# KiCad board Leopold Replacement.kicad_pcb (continued)
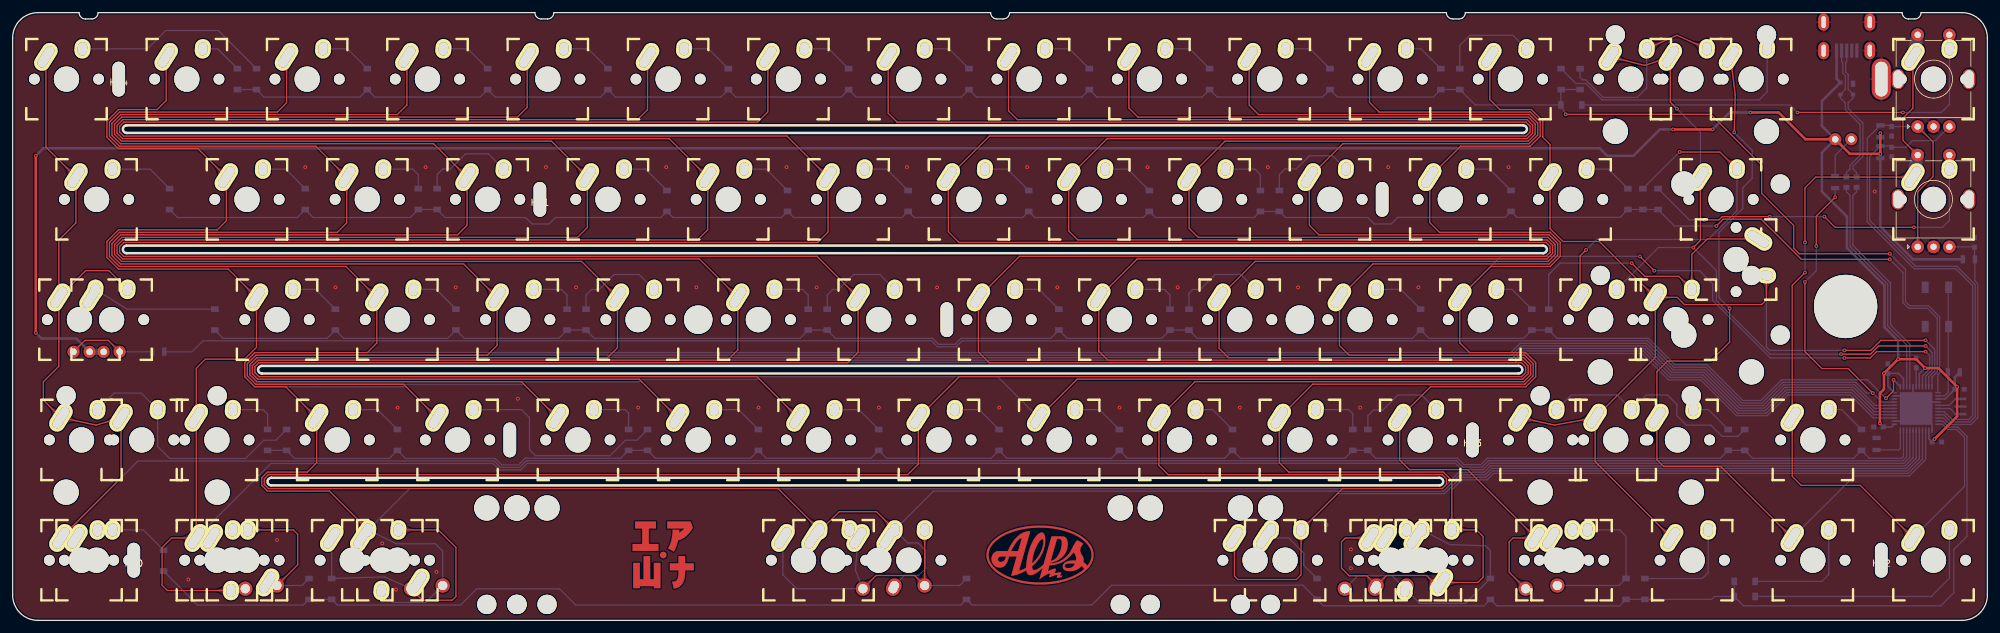
[diagram p0: board, top side]
## Copper pours and planes (outline as drawn; the poured copper is in the pictures) (continued)
Col7 on Top: 138.42,86.29 138.42,86.36 138.42,86.44 138.43,86.51 138.43,86.58 138.44,86.65 138.45,86.72 138.46,86.79 138.48,86.86 138.49,86.93 138.51,87 138.52,87.06 138.54,87.13 138.57,87.19 138.59,87.26 138.61,87.32 138.64,87.38 138.67,87.45 138.7,87.51 138.73,87.57 138.76,87.63 138.8,87.68 138.84,87.74 138.88,87.8 138.92,87.85 138.96,87.91 139,87.96 139.05,88.02 139.1,88.07 139.14,88.12 139.19,88.17 138.32,89.69 137.44,88.17 137.5,88.12 137.54,88.07 137.59,88.02 137.64,87.96 137.68,87.91 137.72,87.85 137.76,87.8 137.8,87.74 137.84,87.68 137.88,87.63 137.91,87.57 137.94,87.51 137.97,87.45 138,87.38 138.03,87.32 138.05,87.26 138.07,87.19 138.1,87.13 138.12,87.06 138.13,87 138.15,86.93 138.16,86.86 138.18,86.79 138.19,86.72 138.2,86.65 138.21,86.58 138.21,86.51 138.22,86.44 138.22,86.36 138.22,86.29
Col7 on Top: 137.31,16.19 137.36,16.13 137.41,16.08 137.46,16.03 137.51,15.97 137.55,15.91 137.59,15.86 137.64,15.8 137.67,15.74 137.71,15.68 137.75,15.63 137.78,15.57 137.82,15.51 137.85,15.44 137.87,15.38 137.9,15.32 137.93,15.26 137.95,15.19 137.97,15.13 137.99,15.06 138.01,15 138.03,14.93 138.04,14.87 138.05,14.8 138.06,14.73 138.07,14.66 138.08,14.59 138.09,14.52 138.09,14.45 138.09,14.38 138.09,14.31 139.78,13.85 139.33,15.55 139.26,15.55 139.19,15.55 139.12,15.55 139.05,15.56 138.98,15.56 138.91,15.57 138.84,15.58 138.77,15.6 138.7,15.61 138.64,15.63 138.57,15.65 138.51,15.67 138.44,15.69 138.38,15.71 138.32,15.74 138.25,15.76 138.19,15.79 138.13,15.82 138.07,15.85 138.01,15.89 137.95,15.92 137.89,15.96 137.84,16 137.78,16.04 137.72,16.09 137.67,16.13 137.61,16.18 137.56,16.23 137.5,16.28 137.45,16.33
Col7 on Top: 128.33,15.06 128.28,15.01 128.22,14.96 128.17,14.91 128.11,14.86 128.06,14.82 128,14.77 127.94,14.73 127.89,14.69 127.83,14.65 127.77,14.62 127.71,14.58 127.65,14.55 127.59,14.52 127.53,14.49 127.46,14.47 127.4,14.44 127.34,14.42 127.27,14.4 127.21,14.38 127.14,14.36 127.08,14.34 127.01,14.33 126.94,14.31 126.87,14.3 126.8,14.29 126.74,14.29 126.67,14.28 126.59,14.28 126.52,14.28 126.45,14.28 126,12.58 127.69,13.04 127.69,13.11 127.69,13.18 127.69,13.25 127.7,13.32 127.71,13.39 127.72,13.46 127.73,13.53 127.74,13.6 127.75,13.66 127.77,13.73 127.79,13.79 127.81,13.86 127.83,13.92 127.85,13.99 127.88,14.05 127.91,14.11 127.93,14.17 127.97,14.24 128,14.3 128.03,14.36 128.07,14.41 128.11,14.47 128.15,14.53 128.19,14.59 128.23,14.64 128.27,14.7 128.32,14.76 128.37,14.81 128.42,14.86 128.47,14.92
Col7 on Bottom: 141.23,16.33 141.18,16.28 141.13,16.23 141.07,16.18 141.02,16.13 140.96,16.09 140.91,16.04 140.85,16 140.79,15.96 140.73,15.92 140.67,15.89 140.61,15.85 140.55,15.82 140.49,15.79 140.43,15.76 140.37,15.74 140.3,15.71 140.24,15.69 140.18,15.67 140.11,15.65 140.05,15.63 139.98,15.61 139.91,15.6 139.85,15.58 139.78,15.57 139.71,15.56 139.64,15.56 139.57,15.55 139.5,15.55 139.43,15.55 139.35,15.55 138.9,13.85 140.59,14.31 140.59,14.38 140.59,14.45 140.6,14.52 140.6,14.59 140.61,14.66 140.62,14.73 140.63,14.8 140.64,14.87 140.66,14.93 140.67,15 140.69,15.06 140.71,15.13 140.73,15.19 140.76,15.26 140.78,15.32 140.81,15.38 140.84,15.44 140.87,15.51 140.9,15.57 140.94,15.63 140.97,15.68 141.01,15.74 141.05,15.8 141.09,15.86 141.13,15.91 141.18,15.97 141.23,16.03 141.27,16.08 141.32,16.13 141.38,16.19
Col7 on Bottom: 140.83,7.16 140.78,7.09 140.73,7.02 140.67,6.96 140.62,6.9 140.57,6.84 140.51,6.78 140.46,6.73 140.4,6.68 140.35,6.63 140.29,6.58 140.23,6.54 140.18,6.5 140.12,6.46 140.06,6.42 140,6.38 139.95,6.35 139.89,6.32 139.83,6.29 139.77,6.26 139.71,6.24 139.65,6.22 139.59,6.2 139.53,6.18 139.46,6.17 139.4,6.16 139.34,6.15 139.28,6.14 139.21,6.13 139.15,6.13 139.09,6.13 138.68,4.61 140.2,5.02 140.2,5.08 140.2,5.15 140.21,5.21 140.21,5.27 140.22,5.34 140.23,5.4 140.24,5.47 140.25,5.54 140.27,5.6 140.28,5.67 140.3,5.73 140.32,5.8 140.34,5.86 140.36,5.93 140.39,6 140.42,6.06 140.44,6.13 140.47,6.2 140.51,6.27 140.54,6.33 140.58,6.4 140.61,6.47 140.65,6.54 140.69,6.6 140.74,6.67 140.78,6.74 140.83,6.81 140.87,6.88 140.92,6.95 140.97,7.02
Col7 on Bottom: 140.83,7.16 139.33,6.63 138.92,5.11 140.45,5.52 140.97,7.02
Col7 on Bottom: 141.38,12.4 141.32,12.46 141.27,12.51 141.23,12.56 141.18,12.62 141.13,12.68 141.09,12.73 141.05,12.79 141.01,12.85 140.97,12.91 140.94,12.96 140.9,13.02 140.87,13.09 140.84,13.15 140.81,13.21 140.78,13.27 140.76,13.33 140.73,13.4 140.71,13.46 140.69,13.53 140.67,13.59 140.66,13.66 140.64,13.72 140.63,13.79 140.62,13.86 140.61,13.93 140.6,14 140.6,14.07 140.59,14.14 140.59,14.21 140.59,14.28 138.9,14.74 139.35,13.05 139.43,13.05 139.5,13.04 139.57,13.04 139.64,13.03 139.71,13.03 139.78,13.02 139.85,13.01 139.91,12.99 139.98,12.98 140.05,12.96 140.11,12.95 140.18,12.93 140.24,12.9 140.3,12.88 140.37,12.85 140.43,12.83 140.49,12.8 140.55,12.77 140.61,12.74 140.67,12.7 140.73,12.67 140.79,12.63 140.85,12.59 140.91,12.55 140.96,12.5 141.02,12.46 141.07,12.41 141.13,12.36 141.18,12.31 141.23,12.26
Col8 on Top: 163.97,34.07 163.92,34.02 163.87,33.97 163.81,33.92 163.76,33.87 163.7,33.83 163.65,33.78 163.59,33.74 163.53,33.7 163.47,33.66 163.41,33.63 163.35,33.59 163.29,33.56 163.23,33.53 163.17,33.5 163.11,33.48 163.04,33.45 162.98,33.43 162.92,33.41 162.85,33.39 162.79,33.37 162.72,33.35 162.65,33.34 162.59,33.32 162.52,33.31 162.45,33.3 162.38,33.3 162.31,33.29 162.24,33.29 162.17,33.29 162.09,33.29 161.64,31.59 163.33,32.05 163.33,32.12 163.33,32.19 163.34,32.26 163.34,32.33 163.35,32.4 163.36,32.47 163.37,32.54 163.38,32.61 163.4,32.67 163.41,32.74 163.43,32.8 163.45,32.87 163.47,32.93 163.5,33 163.52,33.06 163.55,33.12 163.58,33.18 163.61,33.25 163.64,33.31 163.68,33.37 163.71,33.42 163.75,33.48 163.79,33.54 163.83,33.6 163.87,33.65 163.92,33.71 163.97,33.77 164.01,33.82 164.06,33.87 164.12,33.93
Col8 on Top: 171.69,48.27 171.69,48.34 171.69,48.42 171.7,48.49 171.7,48.56 171.71,48.63 171.72,48.7 171.73,48.77 171.74,48.84 171.76,48.91 171.77,48.98 171.79,49.04 171.81,49.11 171.83,49.17 171.86,49.24 171.88,49.3 171.91,49.36 171.94,49.43 171.97,49.49 172,49.55 172.03,49.61 172.07,49.66 172.1,49.72 172.14,49.78 172.18,49.83 172.23,49.89 172.27,49.94 172.32,50 172.36,50.05 172.41,50.1 172.46,50.15 171.59,51.67 170.71,50.15 170.76,50.1 170.81,50.05 170.86,50 170.91,49.94 170.95,49.89 170.99,49.83 171.03,49.78 171.07,49.72 171.11,49.66 171.14,49.61 171.18,49.55 171.21,49.49 171.24,49.43 171.27,49.36 171.29,49.3 171.32,49.24 171.34,49.17 171.36,49.11 171.38,49.04 171.4,48.98 171.42,48.91 171.43,48.84 171.45,48.77 171.46,48.7 171.47,48.63 171.47,48.56 171.48,48.49 171.48,48.42 171.49,48.34 171.49,48.27
Col8 on Top: 173.48,53.08 173.43,53.03 173.37,52.98 173.32,52.93 173.26,52.88 173.21,52.84 173.15,52.79 173.09,52.75 173.04,52.71 172.98,52.67 172.92,52.64 172.86,52.6 172.8,52.57 172.74,52.54 172.67,52.51 172.61,52.49 172.55,52.46 172.49,52.44 172.42,52.42 172.36,52.4 172.29,52.38 172.22,52.36 172.16,52.35 172.09,52.33 172.02,52.32 171.95,52.31 171.88,52.31 171.81,52.3 171.74,52.3 171.67,52.3 171.6,52.3 171.15,50.6 172.84,51.06 172.84,51.13 172.84,51.2 172.84,51.27 172.85,51.34 172.86,51.41 172.87,51.48 172.88,51.55 172.89,51.62 172.9,51.68 172.92,51.75 172.94,51.81 172.96,51.88 172.98,51.94 173,52.01 173.03,52.07 173.06,52.13 173.08,52.19 173.11,52.26 173.15,52.32 173.18,52.38 173.22,52.43 173.25,52.49 173.29,52.55 173.34,52.61 173.38,52.66 173.42,52.72 173.47,52.78 173.52,52.83 173.57,52.88 173.62,52.94
Col8 on Top: 166.94,67.28 166.94,67.35 166.94,67.43 166.94,67.5 166.95,67.57 166.96,67.64 166.97,67.71 166.98,67.78 166.99,67.85 167,67.92 167.02,67.99 167.04,68.05 167.06,68.12 167.08,68.18 167.1,68.25 167.13,68.31 167.16,68.37 167.18,68.44 167.21,68.5 167.25,68.56 167.28,68.62 167.31,68.67 167.35,68.73 167.39,68.79 167.43,68.84 167.47,68.9 167.52,68.95 167.56,69.01 167.61,69.06 167.66,69.11 167.71,69.16 166.84,70.68 165.96,69.16 166.01,69.11 166.06,69.06 166.11,69.01 166.15,68.95 166.2,68.9 166.24,68.84 166.28,68.79 166.32,68.73 166.36,68.67 166.39,68.62 166.42,68.56 166.46,68.5 166.49,68.44 166.51,68.37 166.54,68.31 166.57,68.25 166.59,68.18 166.61,68.12 166.63,68.05 166.65,67.99 166.67,67.92 166.68,67.85 166.69,67.78 166.7,67.71 166.71,67.64 166.72,67.57 166.73,67.5 166.73,67.43 166.73,67.35 166.74,67.28
Col8 on Top: 168.73,72.09 168.67,72.04 168.62,71.99 168.57,71.94 168.51,71.89 168.45,71.85 168.4,71.8 168.34,71.76 168.28,71.72 168.22,71.68 168.17,71.65 168.11,71.61 168.05,71.58 167.98,71.55 167.92,71.52 167.86,71.5 167.8,71.47 167.73,71.45 167.67,71.43 167.6,71.41 167.54,71.39 167.47,71.37 167.41,71.36 167.34,71.34 167.27,71.33 167.2,71.32 167.13,71.32 167.06,71.31 166.99,71.31 166.92,71.31 166.85,71.31 166.39,69.61 168.08,70.07 168.09,70.14 168.09,70.21 168.09,70.28 168.1,70.35 168.1,70.42 168.11,70.49 168.12,70.56 168.14,70.63 168.15,70.69 168.17,70.76 168.19,70.82 168.21,70.89 168.23,70.95 168.25,71.02 168.28,71.08 168.3,71.14 168.33,71.2 168.36,71.27 168.39,71.33 168.43,71.39 168.46,71.44 168.5,71.5 168.54,71.56 168.58,71.62 168.63,71.67 168.67,71.73 168.72,71.79 168.77,71.84 168.82,71.89 168.87,71.95
Col8 on Top: 157.43,86.29 157.43,86.36 157.43,86.44 157.44,86.51 157.44,86.58 157.45,86.65 157.46,86.72 157.47,86.79 157.49,86.86 157.5,86.93 157.52,87 157.53,87.06 157.55,87.13 157.58,87.19 157.6,87.26 157.62,87.32 157.65,87.38 157.68,87.45 157.71,87.51 157.74,87.57 157.77,87.63 157.81,87.68 157.85,87.74 157.89,87.8 157.93,87.85 157.97,87.91 158.01,87.96 158.06,88.02 158.11,88.07 158.15,88.12 158.21,88.17 157.33,89.69 156.46,88.17 156.51,88.12 156.55,88.07 156.6,88.02 156.65,87.96 156.69,87.91 156.73,87.85 156.77,87.8 156.81,87.74 156.85,87.68 156.89,87.63 156.92,87.57 156.95,87.51 156.98,87.45 157.01,87.38 157.04,87.32 157.06,87.26 157.08,87.19 157.11,87.13 157.13,87.06 157.14,87 157.16,86.93 157.17,86.86 157.19,86.79 157.2,86.72 157.21,86.65 157.22,86.58 157.22,86.51 157.23,86.44 157.23,86.36 157.23,86.29
Col8 on Bottom: 160.05,33.93 160.1,33.87 160.15,33.82 160.2,33.77 160.25,33.71 160.29,33.65 160.33,33.6 160.38,33.54 160.42,33.48 160.45,33.42 160.49,33.37 160.52,33.31 160.56,33.25 160.59,33.18 160.61,33.12 160.64,33.06 160.67,33 160.69,32.93 160.71,32.87 160.73,32.8 160.75,32.74 160.77,32.67 160.78,32.61 160.79,32.54 160.8,32.47 160.81,32.4 160.82,32.33 160.83,32.26 160.83,32.19 160.83,32.12 160.83,32.05 162.52,31.59 162.07,33.29 162,33.29 161.93,33.29 161.86,33.29 161.79,33.3 161.72,33.3 161.65,33.31 161.58,33.32 161.51,33.34 161.45,33.35 161.38,33.37 161.31,33.39 161.25,33.41 161.18,33.43 161.12,33.45 161.06,33.48 161,33.5 160.93,33.53 160.87,33.56 160.81,33.59 160.75,33.63 160.69,33.66 160.63,33.7 160.58,33.74 160.52,33.78 160.46,33.83 160.41,33.87 160.35,33.92 160.3,33.97 160.24,34.02 160.19,34.07
Col9 on Top: 205.44,16.33 205.39,16.28 205.34,16.23 205.28,16.18 205.23,16.13 205.17,16.09 205.11,16.04 205.06,16 205,15.96 204.94,15.92 204.88,15.89 204.82,15.85 204.76,15.82 204.7,15.79 204.64,15.76 204.58,15.74 204.51,15.71 204.45,15.69 204.39,15.67 204.32,15.65 204.26,15.63 204.19,15.61 204.12,15.6 204.05,15.58 203.99,15.57 203.92,15.56 203.85,15.56 203.78,15.55 203.71,15.55 203.64,15.55 203.56,15.55 203.11,13.85 204.8,14.31 204.8,14.38 204.8,14.45 204.81,14.52 204.81,14.59 204.82,14.66 204.83,14.73 204.84,14.8 204.85,14.87 204.87,14.93 204.88,15 204.9,15.06 204.92,15.13 204.94,15.19 204.97,15.26 204.99,15.32 205.02,15.38 205.05,15.44 205.08,15.51 205.11,15.57 205.15,15.63 205.18,15.68 205.22,15.74 205.26,15.8 205.3,15.86 205.34,15.91 205.39,15.97 205.43,16.03 205.48,16.08 205.53,16.13 205.59,16.19
Col9 on Top: 181.19,29.26 181.19,29.33 181.2,29.41 181.2,29.48 181.21,29.55 181.21,29.62 181.22,29.69 181.23,29.76 181.25,29.83 181.26,29.9 181.28,29.97 181.3,30.03 181.32,30.1 181.34,30.16 181.36,30.23 181.39,30.29 181.41,30.35 181.44,30.42 181.47,30.48 181.5,30.54 181.54,30.6 181.57,30.65 181.61,30.71 181.65,30.77 181.69,30.82 181.73,30.88 181.77,30.93 181.82,30.99 181.87,31.04 181.92,31.09 181.97,31.14 181.09,32.66 180.22,31.14 180.27,31.09 180.32,31.04 180.36,30.99 180.41,30.93 180.45,30.88 180.5,30.82 180.54,30.77 180.58,30.71 180.61,30.65 180.65,30.6 180.68,30.54 180.71,30.48 180.74,30.42 180.77,30.35 180.8,30.29 180.82,30.23 180.85,30.16 180.87,30.1 180.89,30.03 180.91,29.97 180.92,29.9 180.94,29.83 180.95,29.76 180.96,29.69 180.97,29.62 180.98,29.55 180.98,29.48 180.99,29.41 180.99,29.33 180.99,29.26
Col9 on Top: 182.98,34.07 182.93,34.02 182.88,33.97 182.82,33.92 182.77,33.87 182.71,33.83 182.66,33.78 182.6,33.74 182.54,33.7 182.48,33.66 182.42,33.63 182.36,33.59 182.3,33.56 182.24,33.53 182.18,33.5 182.12,33.48 182.05,33.45 181.99,33.43 181.93,33.41 181.86,33.39 181.8,33.37 181.73,33.35 181.66,33.34 181.6,33.32 181.53,33.31 181.46,33.3 181.39,33.3 181.32,33.29 181.25,33.29 181.18,33.29 181.1,33.29 180.65,31.59 182.34,32.05 182.34,32.12 182.34,32.19 182.35,32.26 182.35,32.33 182.36,32.4 182.37,32.47 182.38,32.54 182.39,32.61 182.41,32.67 182.42,32.74 182.44,32.8 182.46,32.87 182.48,32.93 182.51,33 182.53,33.06 182.56,33.12 182.59,33.18 182.62,33.25 182.65,33.31 182.69,33.37 182.72,33.42 182.76,33.48 182.8,33.54 182.84,33.6 182.88,33.65 182.93,33.71 182.98,33.77 183.02,33.82 183.07,33.87 183.13,33.93
Col9 on Top: 190.7,48.27 190.7,48.34 190.7,48.42 190.71,48.49 190.71,48.56 190.72,48.63 190.73,48.7 190.74,48.77 190.75,48.84 190.77,48.91 190.78,48.98 190.8,49.04 190.82,49.11 190.84,49.17 190.87,49.24 190.89,49.3 190.92,49.36 190.95,49.43 190.98,49.49 191.01,49.55 191.04,49.61 191.08,49.66 191.11,49.72 191.15,49.78 191.19,49.83 191.24,49.89 191.28,49.94 191.33,50 191.37,50.05 191.42,50.1 191.47,50.15 190.6,51.67 189.72,50.15 189.77,50.1 189.82,50.05 189.87,50 189.92,49.94 189.96,49.89 190,49.83 190.04,49.78 190.08,49.72 190.12,49.66 190.15,49.61 190.19,49.55 190.22,49.49 190.25,49.43 190.28,49.36 190.3,49.3 190.33,49.24 190.35,49.17 190.37,49.11 190.39,49.04 190.41,48.98 190.43,48.91 190.44,48.84 190.46,48.77 190.47,48.7 190.48,48.63 190.48,48.56 190.49,48.49 190.49,48.42 190.5,48.34 190.5,48.27
Col9 on Top: 192.49,53.08 192.44,53.03 192.38,52.98 192.33,52.93 192.27,52.88 192.22,52.84 192.16,52.79 192.1,52.75 192.05,52.71 191.99,52.67 191.93,52.64 191.87,52.6 191.81,52.57 191.75,52.54 191.68,52.51 191.62,52.49 191.56,52.46 191.5,52.44 191.43,52.42 191.37,52.4 191.3,52.38 191.23,52.36 191.17,52.35 191.1,52.33 191.03,52.32 190.96,52.31 190.89,52.31 190.82,52.3 190.75,52.3 190.68,52.3 190.61,52.3 190.16,50.6 191.85,51.06 191.85,51.13 191.85,51.2 191.85,51.27 191.86,51.34 191.87,51.41 191.88,51.48 191.89,51.55 191.9,51.62 191.91,51.68 191.93,51.75 191.95,51.81 191.97,51.88 191.99,51.94 192.01,52.01 192.04,52.07 192.07,52.13 192.09,52.19 192.12,52.26 192.16,52.32 192.19,52.38 192.23,52.43 192.26,52.49 192.3,52.55 192.35,52.61 192.39,52.66 192.43,52.72 192.48,52.78 192.53,52.83 192.58,52.88 192.63,52.94
Col9 on Top: 185.94,67.28 185.95,67.35 185.95,67.43 185.95,67.5 185.96,67.57 185.97,67.64 185.98,67.71 185.99,67.78 186,67.85 186.01,67.92 186.03,67.99 186.05,68.05 186.07,68.12 186.09,68.18 186.11,68.25 186.14,68.31 186.17,68.37 186.19,68.44 186.22,68.5 186.26,68.56 186.29,68.62 186.32,68.67 186.36,68.73 186.4,68.79 186.44,68.84 186.48,68.9 186.53,68.95 186.57,69.01 186.62,69.06 186.67,69.11 186.72,69.16 185.84,70.68 184.97,69.16 185.02,69.11 185.07,69.06 185.12,69.01 185.16,68.95 185.21,68.9 185.25,68.84 185.29,68.79 185.33,68.73 185.37,68.67 185.4,68.62 185.43,68.56 185.47,68.5 185.5,68.44 185.52,68.37 185.55,68.31 185.58,68.25 185.6,68.18 185.62,68.12 185.64,68.05 185.66,67.99 185.68,67.92 185.69,67.85 185.7,67.78 185.71,67.71 185.72,67.64 185.73,67.57 185.74,67.5 185.74,67.43 185.74,67.35 185.75,67.28
Col9 on Top: 187.74,72.09 187.68,72.04 187.63,71.99 187.58,71.94 187.52,71.89 187.46,71.85 187.41,71.8 187.35,71.76 187.29,71.72 187.23,71.68 187.18,71.65 187.12,71.61 187.06,71.58 186.99,71.55 186.93,71.52 186.87,71.5 186.81,71.47 186.74,71.45 186.68,71.43 186.61,71.41 186.55,71.39 186.48,71.37 186.42,71.36 186.35,71.34 186.28,71.33 186.21,71.32 186.14,71.32 186.07,71.31 186,71.31 185.93,71.31 185.86,71.31 185.4,69.61 187.09,70.07 187.1,70.14 187.1,70.21 187.1,70.28 187.11,70.35 187.11,70.42 187.12,70.49 187.13,70.56 187.15,70.63 187.16,70.69 187.18,70.76 187.2,70.82 187.22,70.89 187.24,70.95 187.26,71.02 187.29,71.08 187.31,71.14 187.34,71.2 187.37,71.27 187.4,71.33 187.44,71.39 187.47,71.44 187.51,71.5 187.55,71.56 187.59,71.62 187.64,71.67 187.68,71.73 187.73,71.79 187.78,71.84 187.83,71.89 187.88,71.95
Col9 on Top: 176.44,86.29 176.44,86.36 176.44,86.44 176.45,86.51 176.45,86.58 176.46,86.65 176.47,86.72 176.48,86.79 176.5,86.86 176.51,86.93 176.53,87 176.54,87.06 176.56,87.13 176.59,87.19 176.61,87.26 176.63,87.32 176.66,87.38 176.69,87.45 176.72,87.51 176.75,87.57 176.78,87.63 176.82,87.68 176.86,87.74 176.9,87.8 176.94,87.85 176.98,87.91 177.02,87.96 177.07,88.02 177.12,88.07 177.16,88.12 177.22,88.17 176.34,89.69 175.47,88.17 175.52,88.12 175.56,88.07 175.61,88.02 175.66,87.96 175.7,87.91 175.74,87.85 175.78,87.8 175.82,87.74 175.86,87.68 175.9,87.63 175.93,87.57 175.96,87.51 175.99,87.45 176.02,87.38 176.05,87.32 176.07,87.26 176.09,87.19 176.12,87.13 176.14,87.06 176.15,87 176.17,86.93 176.18,86.86 176.2,86.79 176.21,86.72 176.22,86.65 176.23,86.58 176.23,86.51 176.24,86.44 176.24,86.36 176.24,86.29
Col9 on Top: 193.12,10.25 193.12,10.32 193.13,10.4 193.13,10.47 193.14,10.54 193.15,10.61 193.15,10.68 193.17,10.75 193.18,10.82 193.19,10.89 193.21,10.96 193.23,11.02 193.25,11.09 193.27,11.15 193.29,11.22 193.32,11.28 193.34,11.34 193.37,11.41 193.4,11.47 193.43,11.53 193.47,11.59 193.5,11.64 193.54,11.7 193.58,11.76 193.62,11.81 193.66,11.87 193.71,11.92 193.75,11.98 193.8,12.03 193.85,12.08 193.9,12.13 193.02,13.65 192.15,12.13 192.2,12.08 192.25,12.03 192.3,11.98 192.34,11.92 192.39,11.87 192.43,11.81 192.47,11.76 192.51,11.7 192.54,11.64 192.58,11.59 192.61,11.53 192.65,11.47 192.68,11.41 192.7,11.34 192.73,11.28 192.76,11.22 192.78,11.15 192.8,11.09 192.82,11.02 192.84,10.96 192.85,10.89 192.87,10.82 192.88,10.75 192.89,10.68 192.9,10.61 192.91,10.54 192.92,10.47 192.92,10.4 192.92,10.32 192.92,10.25
Col9 on Top: 203.65,11.52 203.65,11.59 203.65,11.67 203.66,11.74 203.67,11.81 203.67,11.88 203.68,11.95 203.69,12.02 203.71,12.09 203.72,12.16 203.74,12.23 203.76,12.29 203.78,12.36 203.8,12.42 203.82,12.49 203.85,12.55 203.87,12.61 203.9,12.68 203.93,12.74 203.96,12.8 204,12.86 204.03,12.91 204.07,12.97 204.11,13.03 204.15,13.08 204.19,13.14 204.23,13.19 204.28,13.25 204.33,13.3 204.38,13.35 204.43,13.4 203.55,14.92 202.68,13.4 202.73,13.35 202.78,13.3 202.82,13.25 202.87,13.19 202.91,13.14 202.96,13.08 203,13.03 203.03,12.97 203.07,12.91 203.11,12.86 203.14,12.8 203.17,12.74 203.2,12.68 203.23,12.61 203.26,12.55 203.28,12.49 203.31,12.42 203.33,12.36 203.35,12.29 203.37,12.23 203.38,12.16 203.4,12.09 203.41,12.02 203.42,11.95 203.43,11.88 203.44,11.81 203.44,11.74 203.45,11.67 203.45,11.59 203.45,11.52
Col9 on Bottom: 205.44,16.33 205.39,16.28 205.34,16.23 205.28,16.18 205.23,16.13 205.17,16.09 205.11,16.04 205.06,16 205,15.96 204.94,15.92 204.88,15.89 204.82,15.85 204.76,15.82 204.7,15.79 204.64,15.76 204.58,15.74 204.51,15.71 204.45,15.69 204.39,15.67 204.32,15.65 204.26,15.63 204.19,15.61 204.12,15.6 204.05,15.58 203.99,15.57 203.92,15.56 203.85,15.56 203.78,15.55 203.71,15.55 203.64,15.55 203.56,15.55 203.11,13.85 204.8,14.31 204.8,14.38 204.8,14.45 204.81,14.52 204.81,14.59 204.82,14.66 204.83,14.73 204.84,14.8 204.85,14.87 204.87,14.93 204.88,15 204.9,15.06 204.92,15.13 204.94,15.19 204.97,15.26 204.99,15.32 205.02,15.38 205.05,15.44 205.08,15.51 205.11,15.57 205.15,15.63 205.18,15.68 205.22,15.74 205.26,15.8 205.3,15.86 205.34,15.91 205.39,15.97 205.43,16.03 205.48,16.08 205.53,16.13 205.59,16.19
Col10 on Top: 228.2,6.09 228.08,6.05 227.97,6.03 227.86,6 227.75,5.98 227.64,5.96 227.54,5.94 227.44,5.92 227.34,5.91 227.24,5.9 227.15,5.9 227.06,5.89 226.97,5.89 226.88,5.89 226.8,5.89 226.71,5.9 226.63,5.91 226.56,5.92 226.48,5.93 226.41,5.95 226.34,5.96 226.27,5.99 226.21,6.01 226.14,6.04 226.08,6.06 226.03,6.1 225.97,6.13 225.92,6.17 225.87,6.21 225.82,6.25 225.77,6.29 224.4,5.51 225.77,4.72 225.82,4.76 225.87,4.81 225.92,4.85 225.97,4.9 226.03,4.94 226.08,4.98 226.14,5.03 226.21,5.07 226.27,5.11 226.34,5.15 226.41,5.19 226.48,5.23 226.56,5.27 226.63,5.31 226.71,5.35 226.8,5.39 226.88,5.43 226.97,5.47 227.06,5.51 227.15,5.54 227.24,5.58 227.34,5.61 227.44,5.65 227.54,5.69 227.64,5.72 227.75,5.75 227.86,5.79 227.97,5.82 228.08,5.85 228.2,5.89
Col10 on Top: 228.5,6.09 228.43,6.09 228.35,6.09 228.28,6.09 228.21,6.1 228.14,6.11 228.06,6.12 227.99,6.13 227.93,6.14 227.86,6.16 227.79,6.17 227.72,6.19 227.66,6.21 227.59,6.23 227.53,6.25 227.47,6.28 227.4,6.31 227.34,6.33 227.28,6.36 227.22,6.4 227.16,6.43 227.1,6.47 227.05,6.5 226.99,6.54 226.93,6.58 226.88,6.62 226.82,6.67 226.77,6.71 226.72,6.76 226.67,6.81 226.62,6.86 225.1,5.99 226.62,5.11 226.67,5.16 226.72,5.21 226.77,5.26 226.82,5.3 226.88,5.35 226.93,5.39 226.99,5.43 227.05,5.47 227.1,5.51 227.16,5.54 227.22,5.57 227.28,5.61 227.34,5.64 227.4,5.66 227.47,5.69 227.53,5.72 227.59,5.74 227.66,5.76 227.72,5.78 227.79,5.8 227.86,5.82 227.93,5.83 227.99,5.84 228.06,5.85 228.14,5.86 228.21,5.87 228.28,5.88 228.35,5.88 228.43,5.88 228.5,5.89
Col10 on Top: 230.14,14.4 230.07,14.4 229.99,14.4 229.92,14.4 229.85,14.41 229.78,14.42 229.7,14.43 229.64,14.44 229.57,14.45 229.5,14.47 229.43,14.48 229.36,14.5 229.3,14.52 229.23,14.54 229.17,14.56 229.11,14.59 229.04,14.62 228.98,14.64 228.92,14.67 228.86,14.71 228.8,14.74 228.74,14.78 228.69,14.81 228.63,14.85 228.57,14.89 228.52,14.93 228.47,14.98 228.41,15.02 228.36,15.07 228.31,15.12 228.26,15.17 226.74,14.3 228.26,13.42 228.31,13.47 228.36,13.52 228.41,13.57 228.47,13.61 228.52,13.66 228.57,13.7 228.63,13.74 228.69,13.78 228.74,13.82 228.8,13.85 228.86,13.88 228.92,13.92 228.98,13.95 229.04,13.97 229.11,14 229.17,14.03 229.23,14.05 229.3,14.07 229.36,14.09 229.43,14.11 229.5,14.13 229.57,14.14 229.64,14.15 229.7,14.16 229.78,14.17 229.85,14.18 229.92,14.19 229.99,14.19 230.07,14.19 230.14,14.2
Col10 on Top: 216.97,7.16 215.47,6.63 215.06,5.11 216.59,5.52 217.11,7.02
Col10 on Top: 216.97,7.16 216.92,7.09 216.87,7.02 216.81,6.96 216.76,6.9 216.71,6.84 216.65,6.78 216.6,6.73 216.54,6.68 216.49,6.63 216.43,6.58 216.37,6.54 216.32,6.5 216.26,6.46 216.2,6.42 216.14,6.38 216.09,6.35 216.03,6.32 215.97,6.29 215.91,6.26 215.85,6.24 215.79,6.22 215.73,6.2 215.67,6.18 215.6,6.17 215.54,6.16 215.48,6.15 215.42,6.14 215.35,6.13 215.29,6.13 215.23,6.13 214.82,4.61 216.34,5.02 216.34,5.08 216.34,5.15 216.35,5.21 216.35,5.27 216.36,5.34 216.37,5.4 216.38,5.47 216.39,5.54 216.41,5.6 216.42,5.67 216.44,5.73 216.46,5.8 216.48,5.86 216.5,5.93 216.53,6 216.56,6.06 216.58,6.13 216.61,6.2 216.65,6.27 216.68,6.33 216.72,6.4 216.75,6.47 216.79,6.54 216.83,6.6 216.88,6.67 216.92,6.74 216.97,6.81 217.01,6.88 217.06,6.95 217.11,7.02
Col10 on Top: 223.32,7.02 223.84,5.52 225.36,5.11 224.96,6.63 223.46,7.16
Col10 on Top: 223.32,7.02 223.39,7.02 223.47,7.02 223.54,7.02 223.61,7.01 223.67,7.01 223.74,7 223.8,6.98 223.85,6.97 223.91,6.95 223.96,6.93 224.01,6.91 224.06,6.89 224.11,6.86 224.15,6.83 224.19,6.79 224.23,6.76 224.26,6.72 224.29,6.68 224.32,6.64 224.35,6.59 224.37,6.55 224.4,6.49 224.41,6.44 224.43,6.39 224.44,6.33 224.46,6.27 224.46,6.2 224.47,6.14 224.47,6.07 224.47,6 226.17,5.54 225.71,7.24 223.46,7.16
Col10 on Top: 200.2,29.26 200.2,29.33 200.21,29.41 200.21,29.48 200.22,29.55 200.22,29.62 200.23,29.69 200.24,29.76 200.26,29.83 200.27,29.9 200.29,29.97 200.31,30.03 200.33,30.1 200.35,30.16 200.37,30.23 200.4,30.29 200.42,30.35 200.45,30.42 200.48,30.48 200.51,30.54 200.55,30.6 200.58,30.65 200.62,30.71 200.66,30.77 200.7,30.82 200.74,30.88 200.78,30.93 200.83,30.99 200.88,31.04 200.93,31.09 200.98,31.14 200.1,32.66 199.23,31.14 199.28,31.09 199.33,31.04 199.37,30.99 199.42,30.93 199.46,30.88 199.51,30.82 199.55,30.77 199.59,30.71 199.62,30.65 199.66,30.6 199.69,30.54 199.72,30.48 199.75,30.42 199.78,30.35 199.81,30.29 199.83,30.23 199.86,30.16 199.88,30.1 199.9,30.03 199.92,29.97 199.93,29.9 199.95,29.83 199.96,29.76 199.97,29.69 199.98,29.62 199.99,29.55 199.99,29.48 200,29.41 200,29.33 200,29.26
Col10 on Top: 227.26,17.07 227.26,17 227.26,16.92 227.26,16.85 227.25,16.78 227.24,16.71 227.23,16.64 227.22,16.57 227.21,16.5 227.19,16.43 227.18,16.36 227.16,16.3 227.14,16.23 227.12,16.17 227.09,16.1 227.07,16.04 227.04,15.98 227.01,15.91 226.98,15.85 226.95,15.79 226.92,15.73 226.88,15.68 226.85,15.62 226.81,15.56 226.77,15.51 226.73,15.45 226.68,15.4 226.64,15.34 226.59,15.29 226.54,15.24 226.49,15.19 227.36,13.67 228.24,15.19 228.19,15.24 228.14,15.29 228.09,15.34 228.05,15.4 228,15.45 227.96,15.51 227.92,15.56 227.88,15.62 227.84,15.68 227.81,15.73 227.77,15.79 227.74,15.85 227.71,15.91 227.68,15.98 227.66,16.04 227.63,16.1 227.61,16.17 227.59,16.23 227.57,16.3 227.55,16.36 227.53,16.43 227.52,16.5 227.51,16.57 227.49,16.64 227.49,16.71 227.48,16.78 227.47,16.85 227.47,16.92 227.46,17 227.46,17.07